# Allegro board RK_EVB1_RK3576_LP4XD200P132SD6_V12_20240530YWQ.brd (continued)
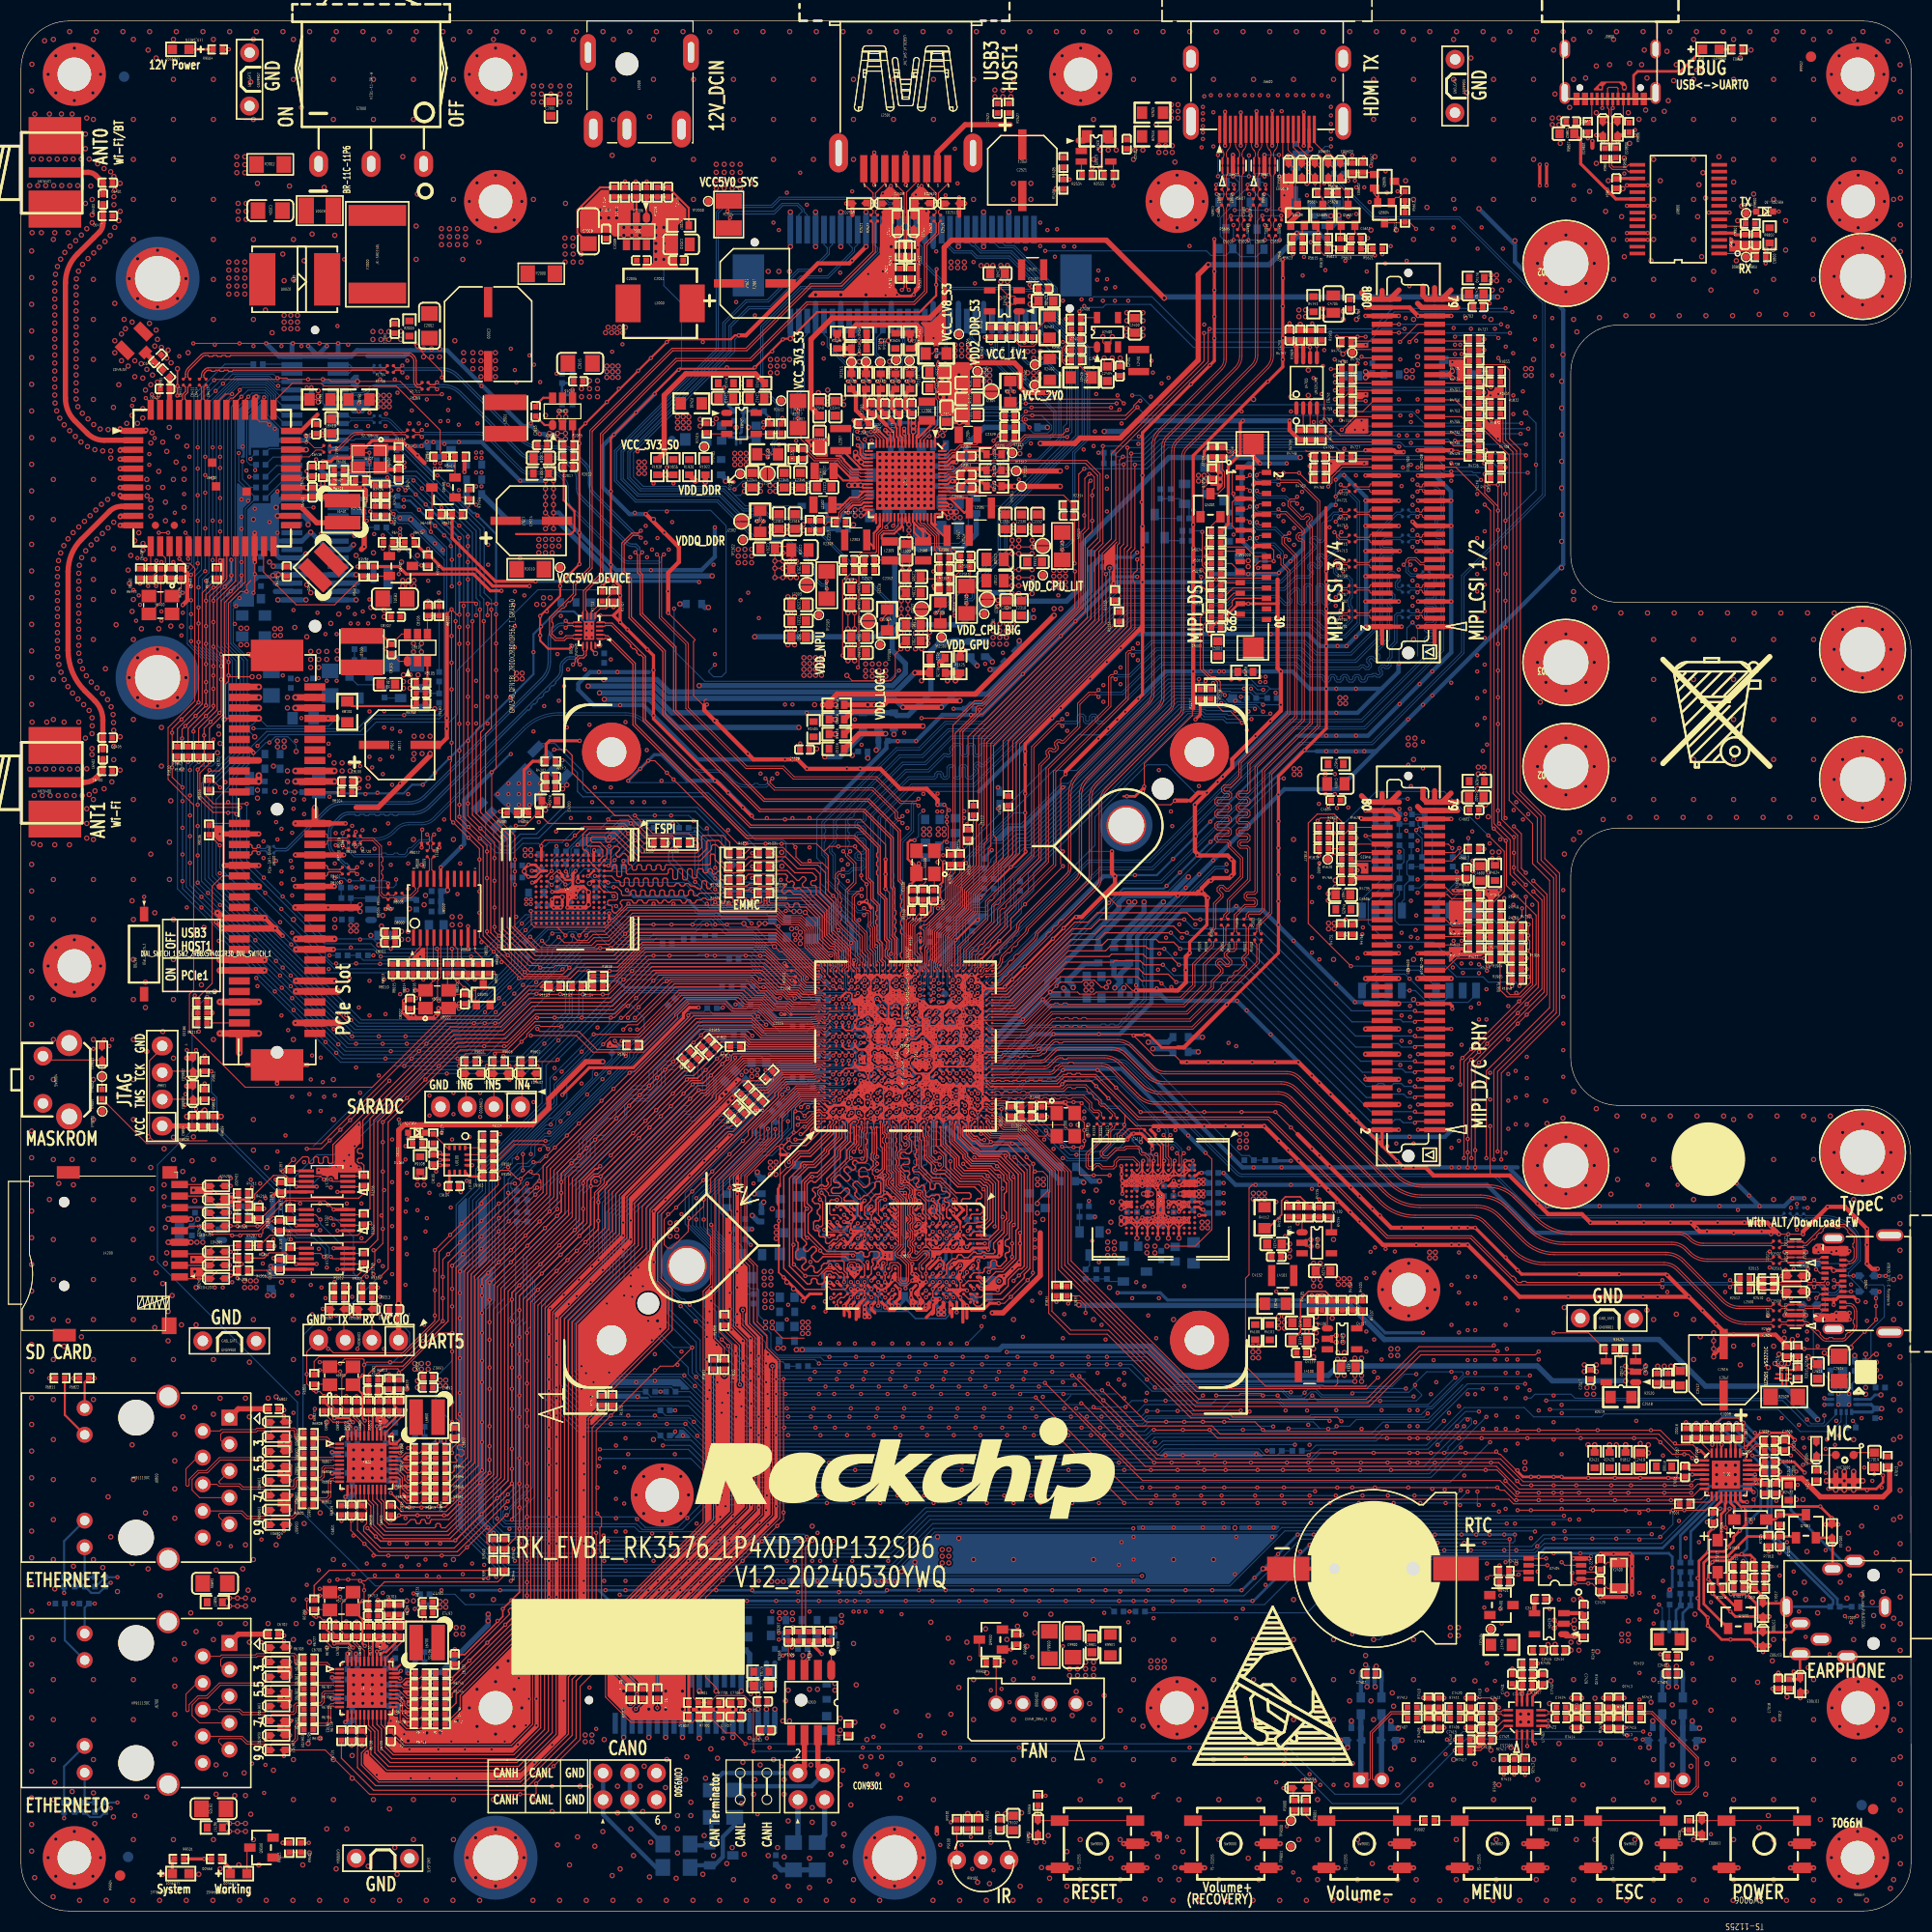
[diagram p0: board, top side]
## Routing (per net, layer and track width the routed paths; a pad name or vN(x,y) marks a point on that pad's centre or on a via; arc(x,y) is an arc through that point) (continued)
I2C4_SCL_M3_MIPI_CSI0: length 181.5
  TOP w0.102: R4612.1 v1(139.36,92.76) R4750.1 ; U1000.1E9 v1(79.14,79.67)
  L4-SIG w0.102: v1(135.52,46.68) 135.52,74.93 137.68,77.09 137.68,91.08 v1(139.36,92.76)
  BOTTOM w0.102: v1(79.14,79.67) 78.56,80.25 72.44,80.25 67.88,75.69 66.21,75.69 56.68,66.16 56.68,60.4 52.4,56.12 52.4,51.21 54.15,49.46 R1927.2 59.99,48.97 63.71,48.97 68.48,44.19 108.17,44.19 108.74,44.76 129.06,44.76 129.71,45.41 134.25,45.41 v1(135.52,46.68)
I2C4_SDA_M3_MIPI_CSI0: length 195.7
  TOP w0.102: R4611.1 138.83,91.75 v1(139.36,91.75) R4747.1 ; U1000.1D12 v1(78.54,81.47)
  L4-SIG w0.102: v1(137.14,44.14) 136.35,44.93 136.35,48.55 135.88,49.02 135.88,74.82 138.5,77.44 138.5,90.89 v1(139.36,91.75)
  BOTTOM w0.102: v1(78.54,81.47) 78.15,81.86 78.15,81.86 77.94,82.07 68.49,82.07 68.32,82.24 66.85,82.24 64.86,80.24 64.86,79.95 64.9,79.9 64.9,78.02 63.59,76.7 63.21,76.7 54.17,67.66 54.17,62.79 49.57,58.19 49.57,49.14 53.02,45.68 60.49,45.68 R1926.2 61.33,44.84 63.83,44.84 67.38,41.29 134.29,41.29 v1(137.14,44.14)
I2C5_SCL_M3_MIPI_CSI1: length 231.9
  TOP w0.102: v1(137.33,141.04) 138.34,141.04 R4729.1 ; U1000.1D9 v1(78.54,79.67)
  L4-SIG w0.102: v1(137.33,141.04) 137.33,138.37 136.95,137.99 136.95,103.58 135.96,102.59 135.96,98.85 140.68,94.13 140.68,73.65 139.2,72.18 v1(139.2,49.73)
  BOTTOM w0.102: v1(78.54,79.67) 78.18,80.03 72.51,80.03 67.83,75.35 66.31,75.35 56.99,66.04 56.99,60.2 52.73,55.95 52.73,51.39 54.24,49.89 61.91,49.89 R1935.2 63.71,49.46 68.63,44.54 107.38,44.54 107.95,45.12 128.91,45.12 129.58,45.79 133.85,45.79 137.79,49.73 v1(139.2,49.73)
I2C5_SDA_M3_MIPI_CSI1: length 236.7
  TOP w0.102: U1000.1B10 v1(77.64,81) ; R4728.1 138.33,140.03 v1(136.57,140.03)
  L4-SIG w0.102: v1(136.57,140.03) 136.57,103.83 135.55,102.82 135.55,98.81 140.27,94.09 140.27,73.75 138.85,72.33 138.85,47.57 v1(138.85,47.57)
  BOTTOM w0.102: v1(138.85,47.57) 137.58,47.57 134,43.98 123.71,43.98 122.79,43.06 68.1,43.06 63.98,47.19 61.39,47.19 R1934.2 53.83,47.68 51.35,50.16 51.35,56.48 51.4,56.53 55.77,60.9 55.77,66.54 65.81,76.58 67.91,76.58 72.3,80.97 77.61,80.97 v1(77.64,81)
I2C6_SCL_M3_MIPI_CSI2: length 2.3
  BOTTOM w0.102: R4744.1 R1845.2 R1843.2
I2C6_SDA_M3_MIPI_CSI2: length 2.3
  BOTTOM w0.102: R1849.2 R1846.2 R4742.1
I2C7_SCL_M1_SENSOR: length 42.1
  TOP w0.102: v1(50.2,72.57) 49.77,73 47,73 R9107.1 ; U1000.1D16 v1(78.84,84.6)
  BOTTOM w0.102: v1(50.2,72.57) 50.2,72.58 63.29,85.67 65.05,85.67 R1916.2 65.92,85.42 69.63,85.42 69.96,85.75 71.16,85.75 72.2,84.71 76.94,84.71 77.41,84.25 78.49,84.25 v1(78.84,84.6)
I2C7_SDA_M1_SENSOR: length 40.2
  TOP w0.102: v1(49.95,73.35) 46.9,73.35 45.46,71.91 R9106.1 ; U1000.1B18 v1(77.34,85.07)
  BOTTOM w0.102: v1(49.95,73.35) 50.33,73.35 58.33,81.35 58.33,81.61 63.46,86.73 67.16,86.73 67.99,85.9 69.03,85.9 R1917.2 71.26,86.33 71.8,85.8 72.56,85.8 73.23,85.12 77.29,85.12 v1(77.34,85.07)
I2C8_SCL_M2_MIPI_CSI3: length 155.4
  TOP w0.102: U4700.6 v1(122.77,148.92) 122.77,149.55 R1909.2 ; v1(58.68,83.95) 58.9,83.95 62.65,87.7 68.87,87.7 69.6,86.97 70.63,86.97 71.62,85.98 72.91,85.98 73.19,85.69 75.97,85.69 U1000.A21
  L4-SIG w0.102: v1(58.68,83.95) 59.35,84.62 59.35,102.94 58.87,103.42 58.87,106.4 61.51,109.04 61.51,123.05 57.68,126.88 57.68,139.87 69.39,151.58 72.48,151.58 75.22,154.33 82.76,154.33 84.12,155.69 85.59,155.69 85.92,155.36 92.92,155.36 93.15,155.59 94.64,155.59 95.99,154.25 99.75,154.25 101.14,152.85 v1(101.26,152.85)
  BOTTOM w0.102: v1(101.26,152.85) 101.39,152.73 103.04,152.73 103.32,153.01 107.58,153.01 111.67,148.92 v1(122.77,148.92)
I2C8_SDA_M2_MIPI_CSI3: length 161.3
  TOP w0.089: 75.56,85.91 75.59,85.94 76.1,85.94 76.37,85.67 U1000.B21
  TOP w0.102: U4700.5 v1(123.42,149.04) 123.42,149.2 R1910.2 ; 75.56,85.91 73.26,85.91 72.99,86.18 71.72,86.18 70.73,87.18 69.91,87.18 69.07,88.02 62.33,88.02 58.71,84.4 57.81,84.4 v1(57.36,83.95)
  L4-SIG w0.102: v1(57.36,83.95) 58.06,84.65 58.59,84.65 58.82,84.88 58.82,85.44 58.24,86.02 58.24,87.98 58.85,88.6 58.85,102.17 57.7,103.32 57.7,105.99 60.87,109.16 60.87,122.63 56.68,126.82 56.68,139.76 71.81,154.88 81.97,154.88 83.11,156.03 85.77,156.03 86.12,155.67 91.38,155.67 91.61,155.9 99.47,155.9 v1(101.89,153.47)
  BOTTOM w0.102: v1(101.89,153.47) 102.16,153.74 107.71,153.74 112.03,149.42 123.04,149.42 v1(123.42,149.04)
I2C_MODE_SEL: length 4.3
  TOP w0.102: U2300.18 80.74,139.65 80.36,140.03 v1(80.36,140.15)
  BOTTOM w0.102: v1(80.36,140.15) 80.61,140.41 80.99,140.41 82.33,141.74 R2324.2
I2C_SCL_ES8388: length 3.1
  TOP w0.102: U7000.28 161,43.61 C7007.1 R7002.2
I2C_SCL_MIPI_CSI3: length 12.4
  TOP w0.102: CON4700.48 128.62,140.72 128.44,140.53 125.64,140.53 124.12,142.06 124.12,143.96 123.99,144.09 123.1,144.09 122.77,143.75 U4700.3 122.77,141.09 R4748.2
I2C_SCL_SENSOR: length 1.8
  TOP w0.102: 42.46,71.53 43.46,71.53 R9107.2
I2C_SDA_ES8388: length 2.5
  TOP w0.102: U7000.27 161.52,43.65 C7008.1 R7003.2
I2C_SDA_MIPI_CSI3: length 8.5
  TOP w0.102: CON4700.46 124.96,139.92 R4758.2 123.47,141.41 123.47,143.08 U4700.4
I2C_SDA_SENSOR: length 1.6
  TOP w0.102: 42.46,72.03 43.92,72.03 R9106.2
IRC_AIN: length 55.5
  TOP w0.102: R4736.1 v1(139.36,148.67)
  L4-SIG w0.102: v1(139.36,148.67) 138.22,147.53 138.22,137.99 137.61,137.39 137.61,102.4 v1(137.84,102.18)
  BOTTOM w0.102: SW1801.6 136.04,96.06 137.37,97.4 R4618.1 137.37,99.53 137.84,100 v1(137.84,102.18)
IRC_BIN: length 57.7
  TOP w0.102: R4737.1 v1(139.36,149.69)
  L4-SIG w0.102: v1(139.36,149.69) 137.86,148.19 137.86,138.15 137.25,137.54 137.25,102.25 137.58,101.93 137.58,99.83 v1(136.73,98.98)
  BOTTOM w0.102: R4619.1 136.73,99.09 v1(136.73,98.98) 136.73,98.03 134.77,96.06 SW1801.5
JTAG_TCK_M0: length 29.8
  TOP w0.102: U1300.3 29.69,62.12 v1(29.5,62.3) ; v1(18.12,79.98) R9811.1 ED9802.1 13.58,79.98 J9801.3
  BOTTOM w0.102: v1(29.5,62.3) 29.35,62.45 29.35,63.17 28.06,64.46 26.33,64.46 25.42,65.37 25.42,65.88 24.91,66.39 24.91,68.49 18.65,74.74 18.65,77.46 18.12,77.99 v1(18.12,79.98)
JTAG_TMS_M0: length 27.2
  TOP w0.102: J9801.2 ED9803.1 R9810.2 v1(18.3,77.31) ; U1300.7 28.53,62.62 v1(28.85,62.3)
  BOTTOM w0.102: v1(28.85,62.3) 29,62.45 29,63.02 27.91,64.1 26.18,64.1 25.06,65.23 25.06,65.73 24.55,66.24 24.55,68.34 18.3,74.59 v1(18.3,77.31)
LCD_BL_PWM1_CH1_M0: length 53.4
  TOP w0.102: U1000.AD29 88.64,92.62 91.06,95.04 91.06,96.68 95.11,100.72 95.11,111.15 106.09,122.13 106.09,126.53 105.92,126.69 105.92,127.32 106.3,127.71 v1(106.3,128.72) ; R5010.1 113.2,129.34 v1(112.86,129)
  BOTTOM w0.102: v1(106.3,128.72) 106.58,129 v1(112.86,129)
LCD_PWREN_H: length 68.6
  TOP w0.102: U1000.1Y21 v1(88.74,87.47) ; R5013.2 113.3,127.36 112.5,128.16 v1(112.5,131.35)
  L4-SIG w0.102: v1(117.52,114.5) 117.57,114.55 117.57,116.48 116.88,117.17 116.88,118.31 116.5,118.69 116.5,122.23 112.82,125.91 112.82,127.83 112.5,128.15 v1(112.5,131.35)
  BOTTOM w0.102: R5025.1 112.4,131.44 v1(112.5,131.35) ; v1(88.74,87.47) 88.74,87.6 88.18,88.16 88.18,89.7 94.24,95.75 94.24,98.44 110.46,114.65 117.36,114.65 v1(117.52,114.5)
LCD_RESET_L: length 14
  TOP w0.102: CON5000.20 117.91,128 v1(117.82,127.91)
  L4-SIG w0.102: v1(117.82,127.91) 118.02,127.71 118.02,119.14 119.33,117.83 119.33,116.18 v1(119.48,116.03)
  BOTTOM w0.102: R1113.2 119.59,115.92 v1(119.48,116.03)
LIN1_ES8388: length 1.6
  TOP w0.203: C7002.1 162.83,44.76 U7000.24
LIN2_ES8388: length 3
  TOP w0.102: U7000.22 163.93,43.4 164.12,43.4 165.18,44.47 165.72,44.47 C7005.1
LPDDR4_A0_A: length 15.3
  TOP w0.114: U3800.H2 86.52,66.12 86.18,66.46 86.18,67.52 85.54,68.16 v1(85.54,68.29) ; U1000.T1 v1(84.24,74.31)
  BOTTOM w0.114: v1(85.54,68.29) 85.64,68.29 85.89,68.54 85.89,69.11 86.01,69.22 86.16,69.22 86.27,69.34 86.27,69.57 86.16,69.68 86.01,69.68 85.89,69.8 85.89,70.02 86.01,70.14 86.16,70.14 86.27,70.25 86.27,70.48 86.16,70.6 86.01,70.6 85.89,70.71 85.89,70.94 86.01,71.05 86.16,71.05 86.27,71.17 86.27,71.4 86.16,71.51 86.01,71.51 85.89,71.62 85.89,71.85 86.01,71.97 86.16,71.97 86.27,72.08 86.27,72.31 86.16,72.42 86.01,72.42 85.89,72.54 85.89,72.77 86.01,72.88 86.29,72.88 86.4,73 86.4,73.24 86.29,73.35 86.02,73.35 85.9,73.46 85.9,73.74 86,73.83 86,74 85.75,74.24 85.54,74.24 85.41,74.12 85.25,74.12 85.09,74.28 85.09,74.45 85.3,74.67 85.3,74.83 85,75.13 84.62,75.13 84.24,74.75 v1(84.24,74.31)
LPDDR4_A0_B: length 16.3
  TOP w0.114: v1(82.29,67.76) 81.89,67.76 81.66,67.52 81.66,66.28 U3800.R2 ; v1(81.55,71.83) 81.49,71.88 81.49,74.67 U1000.L1
  BOTTOM w0.114: v1(82.29,67.76) 81.88,68.16 81.88,70.2 82.08,70.4 82.08,72.21 81.52,72.78 81.52,74 81.4,74.11 80.81,74.11 80.69,73.99 80.69,71.83 81.05,71.46 81.21,71.46 81.49,71.74 81.49,71.77 v1(81.55,71.83)
LPDDR4_A1_A: length 16.5
  TOP w0.114: v1(84.24,72.99) 83.88,73.34 83.88,74.81 U1000.1N1 ; U3800.J2 v1(85.54,66.29)
  BOTTOM w0.114: v1(84.24,72.99) 84.24,73.14 84.83,73.73 85.4,73.73 85.52,73.6 85.52,73.46 85.41,73.35 85.13,73.35 85,73.22 85,73.02 85.12,72.91 85.4,72.91 85.51,72.79 85.51,72.57 85.4,72.45 85.12,72.45 85,72.34 85,72.11 85.12,72 85.4,72 85.51,71.88 85.51,71.66 85.4,71.54 85.12,71.54 85,71.43 85,71.2 85.12,71.08 85.4,71.08 85.51,70.97 85.51,70.74 85.4,70.63 85.12,70.63 85,70.51 85,70.28 85.12,70.17 85.4,70.17 85.51,70.06 85.51,69.83 85.4,69.71 85.12,69.71 85,69.6 85,69.37 85.12,69.26 85.4,69.26 85.51,69.14 85.51,68.92 85.38,68.78 85.12,68.78 85,68.67 85,66.56 85.27,66.29 v1(85.54,66.29)
LPDDR4_A1_B: length 17.1
  TOP w0.114: U3800.P2 v1(82.29,66.29) ; U1000.1J1 81.85,75.16 81.85,72.82 82.02,72.65 82.02,70.72 81.81,70.5 v1(81.53,70.5)
  BOTTOM w0.114: v1(81.53,70.5) 81.12,70.5 80.94,70.68 80.94,70.94 80.69,71.19 79.6,71.19 79.49,71.08 79.49,70.54 79.6,70.42 80.57,70.42 80.69,70.31 80.69,70.08 80.57,69.96 79.91,69.96 79.8,69.85 79.8,69.67 80.5,68.97 80.66,68.97 81.07,69.38 81.23,69.38 81.39,69.22 81.39,69.06 80.98,68.65 80.98,68.48 81.83,67.64 81.83,66.76 v1(82.29,66.29)
LPDDR4_A2_A: length 17.1
  TOP w0.114: U3800.H9 v1(86.84,60.69) ; v1(85.19,76.11) 85.19,76.11 U1000.1R3
  L4-SIG w0.091: v1(86.84,60.69) 85.89,61.65 85.89,68.53 85.34,69.08 85.34,75.08 85.49,75.24 85.49,75.8 v1(85.19,76.11)
LPDDR4_A2_B: length 18.5
  TOP w0.114: U1000.1J3 v1(81.54,76.07) ; v1(81.64,60.69) U3800.R9
  L4-SIG w0.091: v1(81.54,76.07) 81.54,75.96 81.89,75.61 81.89,75.32 82.59,74.62 82.59,71.32 83.35,70.56 83.35,68.15 83.44,68.06 83.44,68.05 83.54,67.96 83.54,63.07 82.97,62.51 82.97,61.16 82.87,61.05 81.73,61.05 81.64,60.96 v1(81.64,60.69)
LPDDR4_A3_A: length 19.5
  TOP w0.114: U3800.H10 v1(86.84,59.89) ; U1000.1T2 v1(86.34,76.07)
  L4-SIG w0.091: v1(86.34,76.07) 85.99,75.71 85.99,75.17 85.73,74.92 85.73,69.32 86.29,68.76 86.29,63.02 86.61,62.69 87.66,62.69 87.94,62.41 87.94,60.62 87.72,60.4 87.53,60.4 87.03,59.89 v1(86.84,59.89)
LPDDR4_A3_B: length 19.4
  TOP w0.114: v1(81.64,59.89) U3800.R10 ; U1000.1G2 v1(80.94,76.07)
  L4-SIG w0.089: 82.62,68.04 82.62,63.19
  L4-SIG w0.091: v1(81.64,59.89) 81.64,59.95 81.19,60.4 81.19,62.17 81.7,62.68 82.46,62.68 82.62,62.84 82.62,63.19 ; v1(80.94,76.07) 80.9,76.02 80.9,75.91 80.59,75.61 80.59,75.35 81.45,74.5 81.45,73.1 81.9,72.65 81.9,69.85 82.84,68.91 82.84,68.27 82.62,68.04
LPDDR4_A4_A: length 21
  TOP w0.114: U3800.H11 v1(86.19,58.44) ; U1000.1M5 83.39,77.31 v1(83.39,77.31)
  L4-SIG w0.091: v1(86.19,58.44) 85.47,59.16 85.27,59.16 84.54,59.89 84.54,71.9 83.73,72.72 83.73,76.97 v1(83.39,77.31)
LPDDR4_A4_B: length 22.9
  TOP w0.114: U1000.1F4 79.79,77.22 v1(79.79,77.22) ; U3800.R11 v1(82.31,58.43)
  L4-SIG w0.089: 81.27,63.06 81.32,63.11 81.32,63.63 81.4,63.72 81.78,63.72 81.97,63.91 81.97,66.27 81.7,66.54 ; 81.53,58.75 81.51,58.77 81.51,58.77 81.32,58.96 81.32,59.51 81.19,59.63 80.94,59.63 80.67,59.91 80.67,60.18 80.67,60.18 80.67,60.27
  L4-SIG w0.091: v1(79.79,77.22) 79.79,77.22 80.43,76.58 80.43,75.89 80.3,75.77 80.3,75.13 81.07,74.37 81.07,69.73 81.7,69.1 81.7,66.54 ; 81.53,58.75 81.99,58.75 v1(82.31,58.43) ; 80.67,60.27 80.67,61.05 80.24,61.48 80.24,62.03 81.27,63.06
LPDDR4_A5_A: length 20.3
  TOP w0.114: U1000.1P5 v1(84.54,77.27) ; U3800.J11 v1(86.19,59.09)
  L4-SIG w0.091: v1(86.19,59.09) 85.78,59.51 85.49,59.51 85.24,59.76 85.24,62.05 84.94,62.35 84.94,74.43 84.11,75.26 84.11,76.84 v1(84.54,77.27)
LPDDR4_A5_B: length 20.9
  TOP w0.114: U3800.P11 83.02,59.17 v1(83.04,59.17) ; U1000.1K5 82.45,77.57 82.71,77.83 v1(82.71,77.83)
  L4-SIG w0.089: 83.1,74.62 83.1,75 82.34,75.76 82.34,77.46 82.71,77.83 v1(82.71,77.83)
  L4-SIG w0.091: v1(83.04,59.17) 83.35,59.49 83.35,60.27 83.75,60.66 83.75,62.72 84,62.98 84,68.09 83.85,68.24 83.85,70.82 83.1,71.57 83.1,74.62
LPDDR4_CKE0_A: length 16.8
  TOP w0.089: U3800.J4 v1(85.54,64.04) ; U1000.1N3 v1(84.51,76.1)
  BOTTOM w0.089: v1(85.54,64.04) 85.46,64.04 84.74,64.76 84.74,64.93 84.63,65.05 84.63,65.39 84.74,65.5 84.95,65.5 85.06,65.61 85.06,65.84 84.95,65.96 84.74,65.96 84.63,66.07 84.63,69.81 84.51,69.92 84.17,69.92 84.06,70.04 84.06,70.3 84.17,70.42 84.51,70.42 84.62,70.53 84.62,70.76 84.51,70.88 84.17,70.88 84.06,70.99 84.06,71.22 84.17,71.33 84.51,71.33 84.62,71.45 84.62,71.68 84.51,71.79 84.17,71.79 83.73,72.23 83.73,74.75 84.11,75.13 84.11,76.1 84.2,76.19 84.42,76.19 v1(84.51,76.1)
LPDDR4_CKE0_B: length 16.6
  TOP w0.089: U1000.1K2 v1(82.74,76.07) ; U3800.P4 v1(82.94,64.04)
  BOTTOM w0.089: v1(82.74,76.07) 82.59,75.92 82.59,74.61 81.88,73.9 81.88,72.91 82.46,72.33 82.46,71.62 82.55,71.53 82.83,71.53 82.95,71.41 82.95,71.09 82.84,70.97 82.55,70.97 82.46,70.88 82.46,70.6 82.55,70.51 82.84,70.51 82.95,70.4 82.95,69.91 82.84,69.79 82.59,69.79 82.34,69.54 82.34,68.91 82.46,68.78 82.59,68.78 82.68,68.87 82.8,68.87 82.92,68.75 82.92,68.35 82.72,68.14 82.72,67.81 82.96,67.57 83.32,67.57 83.43,67.46 83.43,66.7 83.27,66.53 83.27,66.32 83.43,66.16 83.43,65.11 83.52,65.03 83.52,64.63 v1(82.94,64.04)
LPDDR4_CKE1_A: length 18.3
  TOP w0.089: v1(84.5,77.83) 84.5,77.82 U1000.1N5 ; U3800.J5 v1(85.54,63.24)
  BOTTOM w0.089: v1(84.5,77.83) 84.49,77.82 84.4,77.82 83.86,77.29 83.86,77.01 83.95,76.92 84.15,76.92 84.24,76.84 84.24,76.66 84.15,76.57 83.95,76.57 83.86,76.48 83.86,75.38 83.35,74.87 83.35,72.05 83.69,71.71 83.69,69.27 83.8,69.16 84.02,69.16 84.13,69.04 84.13,68.87 84.05,68.78 83.78,68.78 83.69,68.69 83.69,68.4 84.26,67.84 84.26,64.57 84.62,64.21 84.62,63.82 85.13,63.32 85.47,63.32 v1(85.54,63.24)
LPDDR4_CKE1_B: length 17
  TOP w0.089: U1000.1M3 83.39,76.11 v1(83.39,76.11) ; U3800.P5 v1(82.94,63.24)
  BOTTOM w0.089: v1(82.94,63.24) 83.26,63.24 83.49,63.48 84.13,63.48 84.24,63.59 84.24,64.02 83.87,64.4 83.87,67.74 83.35,68.26 83.35,71.53 82.98,71.9 82.98,72.59 82.87,72.7 82.58,72.7 82.46,72.82 82.46,73.05 82.58,73.16 82.87,73.16 82.98,73.27 82.98,73.5 82.87,73.62 82.58,73.62 82.46,73.73 82.46,73.96 82.58,74.08 82.87,74.08 82.98,74.19 82.98,75.71 83.39,76.11 v1(83.39,76.11)
LPDDR4_CLKN_A: length 19.4
  TOP w0.107: U3800.J9 85.77,60.47 85.77,60.78 85.52,61.02 85.52,61.2 85.52,61.2 85.52,61.62 86.27,62.37 86.27,62.54 86.17,62.64 86.03,62.64 85.36,61.97 84.77,61.97 84.49,62.26 84.49,62.67 84.68,62.86 84.68,63.08 84.45,63.3 84.45,63.84 84.69,64.08 84.69,64.65 84.46,64.87 84.46,65.5 84.69,65.73 84.69,66.05 84.45,66.28 84.45,67.14 84.65,67.35 84.65,67.76 84.52,67.9 84.52,68.23 84.65,68.36 84.65,68.61 84.36,68.9 84.18,68.9 84.01,68.74 83.68,68.74 83.35,69.06 83.35,70.34 83.07,70.62 83.07,74.09 83.25,74.26 83.25,74.56 U1000.P1
LPDDR4_CLKN_B: length 20.7
  TOP w0.107: U1000.N1 82.49,74.56 82.49,74.24 82.66,74.07 82.66,70.45 82.88,70.23 82.88,69.83 82.61,69.56 82.61,69.23 84.02,67.81 84.02,63.23 83.49,62.69 83.49,62.54 83.59,62.43 83.73,62.43 84.54,61.63 84.54,60 84.3,59.76 83.88,59.76 83.57,60.07 83.57,61.3 83.34,61.53 83.08,61.53 82.94,61.38 82.94,60.99 82.72,60.77 82.72,60.47 U3800.P9
LPDDR4_CLKP_A: length 19.4
  TOP w0.107: U3800.J8 85.74,61.29 85.74,61.53 86.5,62.28 86.5,62.63 86.26,62.87 85.94,62.87 85.27,62.2 84.86,62.2 84.71,62.35 84.71,62.58 84.9,62.77 84.9,63.17 84.67,63.39 84.67,63.75 84.91,63.98 84.91,64.74 84.69,64.96 84.69,65.41 84.91,65.64 84.91,66.14 84.67,66.38 84.67,67.05 84.88,67.26 84.88,67.85 84.75,67.99 84.75,68.14 84.88,68.27 84.88,68.7 84.45,69.13 84.08,69.13 83.92,68.96 83.77,68.96 83.58,69.16 83.58,70.43 83.3,70.71 83.3,71.05 83.41,71.17 83.41,71.47 83.3,71.59 83.3,72.31 83.41,72.42 83.41,72.73 83.3,72.84 83.3,73.15 83.41,73.27 83.41,73.57 83.3,73.69 83.3,73.99 83.47,74.17 83.47,74.74 U1000.1L1
LPDDR4_CLKP_B: length 20.5
  TOP w0.107: U3800.P8 82.72,61.27 82.72,61.64 82.82,61.75 83.52,61.75 83.8,61.48 83.8,60.17 83.97,59.99 84.21,59.99 84.31,60.09 84.31,61.53 83.64,62.2 83.5,62.2 83.26,62.44 83.26,62.78 83.8,63.32 83.8,67.72 82.38,69.13 82.38,69.65 82.65,69.92 82.65,70.14 82.44,70.36 82.44,73.13 82.32,73.25 82.32,73.55 82.44,73.67 82.44,73.97 82.26,74.15 82.26,74.8 82.44,74.98 U1000.1K1
LPDDR4_CSN0_A: length 17.9
  TOP w0.114: U3800.H4 v1(86.84,64.69) ; v1(85.18,77.23) U1000.1R4
  BOTTOM w0.114: v1(85.18,77.23) 85.44,77.23 85.64,77.03 85.64,74.87 86.72,73.79 86.72,73.59 86.83,73.48 87.53,73.48 87.67,73.34 87.67,72.96 87.55,72.84 86.78,72.84 86.67,72.73 86.67,71.93 86.78,71.82 86.92,71.82 87.04,71.71 87.04,71.48 86.92,71.36 86.78,71.36 86.67,71.25 86.67,70.39 86.85,70.21 87.05,70.21 87.16,70.1 87.16,69.93 87.05,69.82 86.78,69.82 86.67,69.71 86.67,69.48 87.01,69.13 87.01,68.89 86.9,68.78 86.65,68.78 86.15,68.27 86.15,65.68 86.31,65.51 86.31,65.22 v1(86.84,64.69)
LPDDR4_CSN0_B: length 19.9
  TOP w0.114: U1000.1J5 v1(81.54,77.27) ; U3800.R4 81.64,64.69 v1(81.64,64.84)
  BOTTOM w0.089: v1(81.64,64.84) 81.32,65.17 81.32,65.73 81.19,65.86
  BOTTOM w0.114: 81.19,65.86 80.3,65.86 79.92,66.24 79.92,68.14 78.02,70.05 78.02,72.97 78.64,73.59 78.64,73.75 78.42,73.97 78.42,74.13 78.58,74.29 78.74,74.29 78.96,74.07 79.12,74.07 79.28,74.23 79.28,74.39 79.06,74.61 79.06,74.78 79.22,74.94 79.39,74.94 79.6,74.72 79.77,74.72 80.05,75 81.79,75 81.9,75.12 81.9,76.91 v1(81.54,77.27)
LPDDR4_CSN1_A: length 17.4
  TOP w0.114: U3800.H3 v1(86.84,65.49) ; U1000.1T4 v1(86.34,77.27)
  BOTTOM w0.114: v1(86.84,65.49) 86.84,65.62 86.48,65.97 86.48,67.97 86.78,68.27 87.92,68.27 88.1,68.45 88.1,68.76 87.99,68.88 87.66,68.88 87.54,68.99 87.54,69.22 87.66,69.33 87.99,69.33 88.1,69.45 88.1,69.68 87.99,69.79 87.66,69.79 87.54,69.91 87.54,70.13 87.66,70.25 87.99,70.25 88.15,70.41 88.15,72.08 87.98,72.25 87.98,72.52 88.15,72.69 88.15,73.38 87.29,74.24 86.88,74.24 85.98,75.14 85.98,77.15 86.1,77.27 v1(86.34,77.27)
LPDDR4_CSN1_B: length 19.5
  TOP w0.114: U1000.1K4 82.7,77.22 v1(82.7,77.22) ; U3800.R3 v1(82.29,64.84)
  BOTTOM w0.089: 81.97,65.86 U3800.R3 v1(82.29,64.84)
  BOTTOM w0.114: v1(82.7,77.22) 82.7,77.22 82.21,76.74 82.21,74.83 82,74.62 80.3,74.62 80.06,74.37 80.06,74.21 80.28,73.99 80.28,73.83 80.11,73.67 79.95,73.67 79.73,73.89 79.57,73.89 79.41,73.72 79.41,73.56 79.63,73.34 79.63,73.18 79.47,73.02 79.31,73.02 79.09,73.24 78.92,73.24 78.53,72.84 78.53,71.21 78.89,70.84 79,70.84 79.12,70.73 79.12,70.5 79,70.38 78.89,70.38 78.78,70.27 78.78,70.05 81.45,67.38 81.45,66.49 81.97,65.97 81.97,65.86
LPDDR4_DMI0_A: length 15.1
  TOP w0.137: U1000.1V1 87.16,75.09 87.16,72.89 88.07,71.98 88.07,70.83 89.42,69.48 91.33,69.48 91.7,69.11 91.89,69.11 92.05,68.95 92.05,65.93 91.72,65.6 91.1,65.6 91.01,65.51 90.11,65.51 U3800.C3
LPDDR4_DMI0_B: length 15
  TOP w0.097: 77.21,64.89 77.23,64.87 78.42,64.87 U3800.Y3
  TOP w0.102: v1(75.61,76.56) 75.64,76.59 76.27,76.59 U1000.B4
  TOP w0.137: v1(76.24,68.4) 76.62,68.02 76.62,65.48 77.21,64.89
  BOTTOM w0.137: v1(76.24,68.4) 76.24,75.93 v1(75.61,76.56)
LPDDR4_DMI1_A: length 22.6
  TOP w0.137: U3800.C10 90.21,60.02 91.23,60.02 91.5,59.74 91.7,59.74 92.84,60.88 93.52,60.88 94.76,62.12 94.76,64.82 94.97,65.03 94.97,70.17 93.3,71.84 91.25,71.84 90.94,72.14 90.72,72.14 89.25,73.62 89.25,74.61 U1000.AE1
LPDDR4_DMI1_B: length 23.9
  TOP w0.102: U1000.1B1 77.64,75.06 77.37,74.78 77.37,74.5
  TOP w0.137: U3800.Y10 78.72,59.44 78.47,59.2 77.19,59.2 76.95,59.43 76.76,59.43 76.53,59.2 74.65,59.2 72.64,61.2 72.64,70 73.72,71.08 73.72,71.34 74.24,71.86 75.19,71.86 77.37,74.04 77.37,74.5
LPDDR4_DQ0_A: length 14.4
  TOP w0.137: U3800.B2 90.42,66.23 90.55,66.37 91.38,66.37 91.61,66.59 91.61,67.15 91.47,67.29 91.11,67.29 90.97,67.43 90.97,67.7 91.11,67.84 91.38,67.84 91.51,67.97 91.51,68.26 90.81,68.96 89.21,68.96 87.97,70.2 86.94,70.2 86.72,70.41 86.72,71.03 86.07,71.68 86.07,73.6 85.89,73.78 U1000.W1
LPDDR4_DQ0_B: length 14.2
  TOP w0.127: U3800.AA2 77.74,66.29 77.14,66.29 77.02,66.42 77.02,67.61 77.14,67.73 v1(77.7,67.73)
  TOP w0.137: v1(79.1,76.02) 79.1,76.02 U1000.1D2
  L4-SIG w0.117: v1(79.1,76.02) 79.1,76.02 78.88,75.81 78.88,73.58 78.78,73.48 78.62,73.48 78.48,73.62 78.48,74.17 78.36,74.29 78.19,74.29 78.06,74.16 78.06,73.34 77.89,73.17 77.89,67.91 77.74,67.76 77.73,67.76 v1(77.7,67.73)
LPDDR4_DQ1_A: length 13.9
  TOP w0.137: U3800.C2 90.09,66.29 90.09,67.15 89.95,67.29 89.71,67.29 89.58,67.42 89.58,67.7 89.71,67.83 90.33,67.83 90.46,67.97 90.46,68.25 90.32,68.4 89.04,68.4 87.63,69.8 86.84,69.8 85.73,70.91 85.73,73.38 85.6,73.52 85.6,74.8 85.96,75.17 U1000.1T1
LPDDR4_DQ1_B: length 15.7
  TOP w0.137: U1000.1F2 v1(79.79,76.02) ; U3800.Y2 v1(78.39,66.29)
  L4-SIG w0.117: v1(78.39,66.29) 78.39,72.81 78.51,72.93 80.44,72.93 80.56,73.04 80.56,73.36 80.44,73.48 79.53,73.48 79.38,73.63 79.38,73.88 79.5,74 80.29,74 80.41,74.11 80.41,74.35 80.29,74.46 79.5,74.46 79.38,74.58 79.38,74.84 79.55,75.01 79.55,75.18 79.38,75.35 79.38,75.62 v1(79.79,76.02)
LPDDR4_DQ2_A: length 14.3
  TOP w0.137: U3800.E2 88.28,65.97 88.15,66.11 88.15,66.9 88.42,67.18 88.42,67.37 88.29,67.51 88.06,67.51 87.92,67.65 87.92,67.84 88.04,67.96 88.35,67.96 88.47,68.07 88.47,68.24 88.18,68.52 87.81,68.52 87.67,68.66 87.67,69.03 87.42,69.29 87.14,69.29 87.05,69.2 87.05,68.84 86.92,68.7 86.72,68.7 86.58,68.84 86.58,69.33 85.51,70.41 85.05,70.41 84.92,70.54 84.92,70.74 85.05,70.87 85.15,70.87 85.29,71.01 85.29,71.69 85.16,71.83 85.16,72.11 85.29,72.24 85.29,72.56 85.16,72.69 85.16,74.98 84.96,75.17 U1000.1P1
LPDDR4_DQ2_B: length 19.3
  TOP w0.137: U1000.1G1 80.59,75.12 80.59,74.15 80.47,74.02 80.47,73.57 80.59,73.44 80.59,73.13 80.47,73.01 80.47,72.61 80.57,72.5 80.57,71.46 80.39,71.28 79.74,71.28 79.53,71.48 79.34,71.48 79.2,71.34 79.2,71.15 79.47,70.88 79.47,70.74 79.29,70.56 79.09,70.56 78.79,70.86 78.59,70.86 78.4,70.67 78.4,70.48 78.96,69.91 78.96,69.72 78.77,69.53 78.57,69.53 78.01,70.09 77.82,70.09 77.38,69.65 77.38,69.5 77.52,69.36 77.88,69.36 78.02,69.23 78.02,69.03 77.88,68.9 77.34,68.9 77.17,68.73 77.17,68.49 77.31,68.35 78.05,68.35 78.53,68.83 78.72,68.83 78.9,68.65 78.9,68.43 78.38,67.91 78.38,67.71 78.46,67.64 79.29,67.64 79.7,67.23 79.7,66.29 U3800.V2
LPDDR4_DQ3_A: length 16
  TOP w0.137: U3800.F2 87.82,66.22 87.49,66.55 87.49,67.33 87.34,67.48 87.34,67.69 87.49,67.83 87.49,68.09 87.35,68.23 87.12,68.23 87.04,68.14 86.65,68.14 86.52,68.01 86.33,68.01 86.15,68.19 86.15,68.56 86.07,68.64 86.07,69.01 85.95,69.12 85.79,69.12 85.58,68.91 85.38,68.91 85.24,69.05 85.24,69.24 85.49,69.49 85.49,69.69 85.3,69.88 85.11,69.88 84.84,69.61 84.59,69.61 84.45,69.75 84.45,69.99 84.62,70.16 84.62,70.35 84.49,70.49 84.13,70.49 83.84,70.78 83.84,70.97 83.98,71.11 84.49,71.11 84.62,71.24 84.62,71.52 84.49,71.66 83.86,71.66 83.72,71.79 83.72,72.12 83.89,72.28 84.19,72.28 84.34,72.12 84.58,72.12 84.82,72.36 84.82,73.34 84.59,73.56 84.59,73.85 84.79,74.05 U1000.U1
LPDDR4_DQ3_B: length 19.1
  TOP w0.137: U3800.U2 80.34,66.29 80.34,67.04 80.94,67.64 80.94,67.82 81.39,68.27 81.74,68.27 81.88,68.41 81.88,69.34 81.74,69.48 81.46,69.48 81.32,69.34 81.32,68.91 80.56,68.14 80.3,68.14 79.96,67.8 79.76,67.8 79.42,68.14 79.42,68.38 79.58,68.54 79.58,68.74 79.24,69.08 79.24,69.27 79.47,69.5 79.66,69.5 80.25,68.91 80.44,68.91 80.81,69.29 80.81,69.78 80.62,69.98 80.23,69.98 80.15,69.9 79.96,69.9 79.8,70.06 79.8,70.55 80.06,70.81 80.36,70.81 80.59,70.58 80.79,70.58 81.17,70.97 81.17,71.38 80.97,71.57 80.97,72.12 81.06,72.21 81.06,74.4 80.94,74.52 U1000.K1
LPDDR4_DQ4_A: length 13.6
  TOP w0.137: v1(86.99,76.11) 86.99,76.11 U1000.1V3 ; U3800.F4 v1(87.49,64.69)
  L4-SIG w0.089: v1(87.49,64.69) 87.17,65.02 87.17,65.73
  L4-SIG w0.117: 87.17,65.73 87.42,65.98 87.42,68.32 86.22,69.52 86.22,74.24 87.3,75.32 87.3,75.62 86.98,75.94 86.98,76.1 v1(86.99,76.11)
LPDDR4_DQ4_B: length 16.6
  TOP w0.114: U3800.U4 v1(80.99,64.04)
  TOP w0.137: U1000.1C3 v1(77.96,76.09)
  L4-SIG w0.117: v1(80.99,64.04) 80.56,64.48 80.2,64.48 80.02,64.66 79.59,64.66 79.04,65.2 77.58,65.2 77.36,65.43 77.36,65.88 77,66.24 77,67.8 77.4,68.19 77.4,74.38 78.3,75.28 78.3,75.61 77.96,75.95 v1(77.96,76.09)
LPDDR4_DQ5_A: length 15.8
  TOP w0.137: v1(88.14,64.04) U3800.E4 ; v1(88.14,77.27) U1000.1W4
  L4-SIG w0.089: 87.82,65.74 87.82,64.37 v1(88.14,64.04)
  L4-SIG w0.117: 87.82,65.74 88.23,66.15 88.23,68.21 86.72,69.72 86.72,74.03 87.74,75.05 87.74,75.67 87.58,75.83 87.58,76.7 v1(88.14,77.27)
LPDDR4_DQ5_B: length 15.7
  TOP w0.137: U1000.1B3 v1(77.34,76.07) ; U3800.V4 v1(79.69,64.04)
  L4-SIG w0.117: v1(79.69,64.04) 79.15,64.04 78.48,64.71 77.43,64.71 76.5,65.63 76.5,67.9 76.8,68.19 76.8,68.98 76.62,69.16 76.62,75.35 v1(77.34,76.07)
LPDDR4_DQ6_A: length 17
  TOP w0.137: U1000.AC1 88.04,74.61 88.04,73.11 89.33,71.81 89.33,71.03 89.85,70.52 92.07,70.52 93.09,69.49 93.09,64.93 92.15,63.99 90.15,63.99 U3800.C4